# Altium PCB H7-Core.PcbDoc (continued)
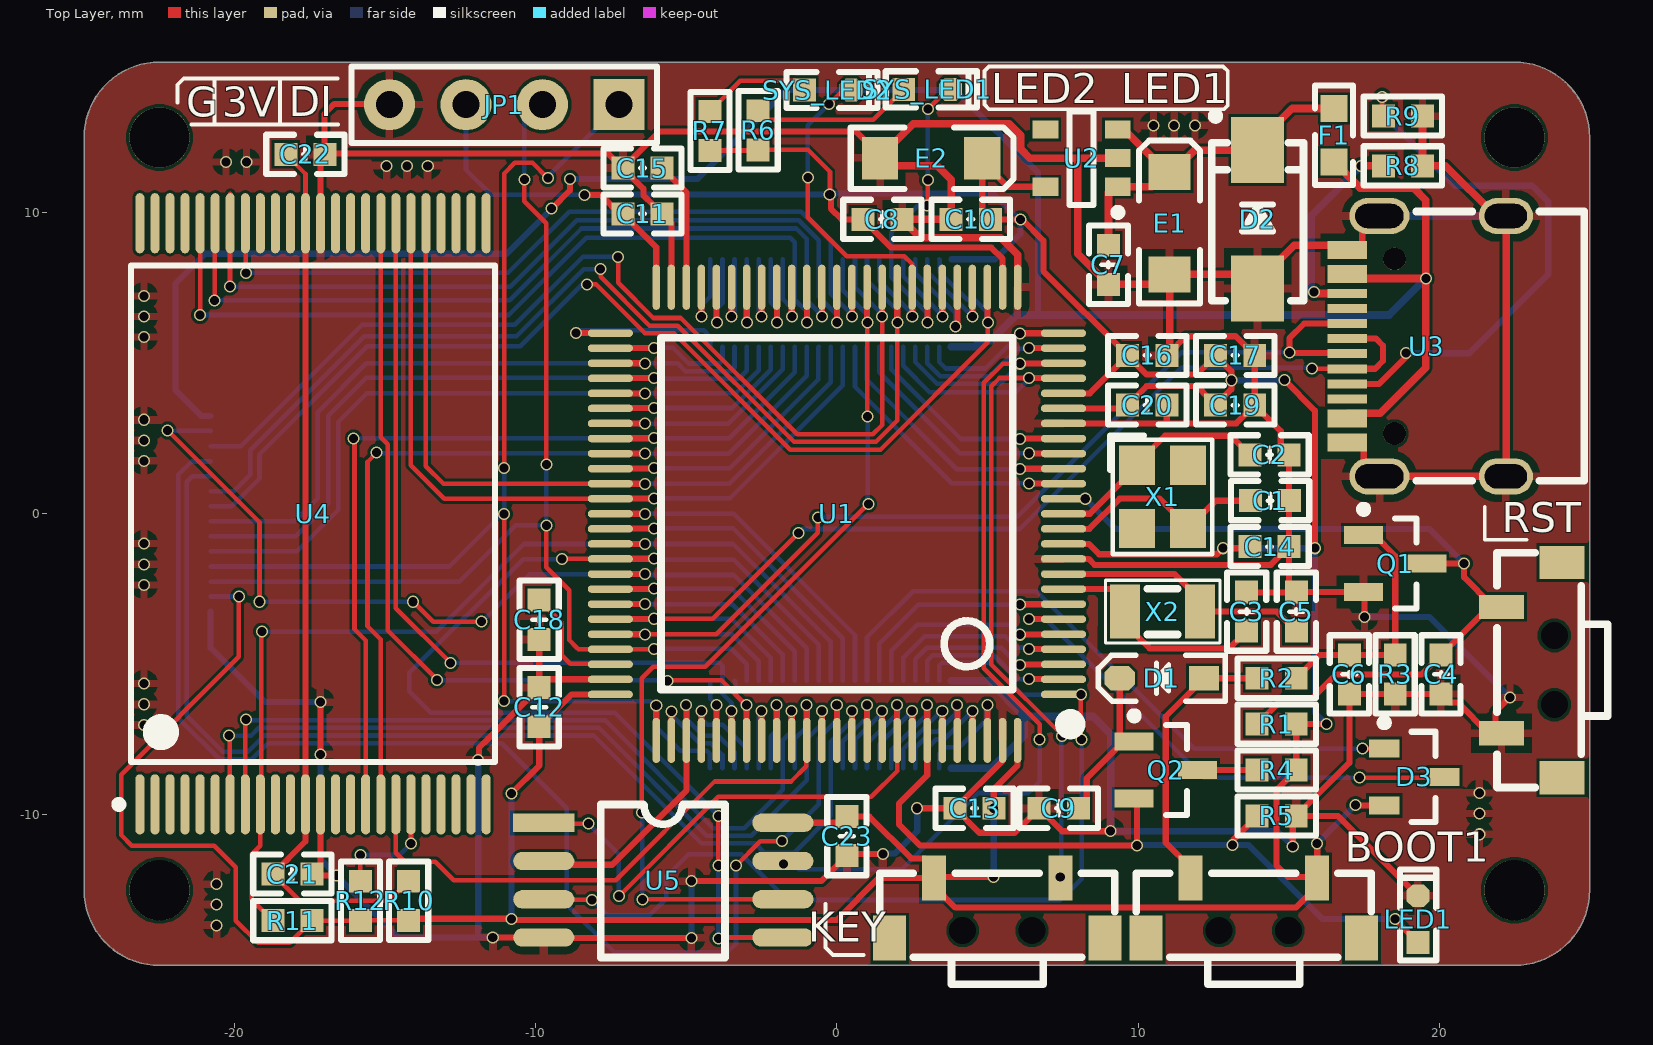
[diagram p0: Top Layer view]
## Nets (pads, with @x,y where several pads share a name; then routed paths per layer and width w, separated by ;. In a path a pad name is that pad's centre, name@x,y a point inside that pad or via, vN(x,y) a via of type N, cw(c..) or ccw(c..) an arc to the next point about the centre after c; other vN are vias at no path point) (continued)
FMC_D6: CN1.17 U1.39 U4.43 | length 28
  Top Layer w0.152: v1(-20.67,7.086) -20.66,7.097 -20.66,9.639 U4.43 U4.43@-20.649,10.54
  Top Layer w0.203: v1@-0.5,6.557 U1.39
  Bottom Layer w0.152: v1@-20.665,7.087 -10.871,7.087 -8.484,9.474 -1.346,9.474 -1,9.128 CN1.17 -1,7.096 -0.498,6.594 v1(-0.498,6.555)
FMC_D7: CN1.15 U1.40 U4.44 | length 28.8
  Top Layer w0.152: v1(-21.153,6.604) -21.151,6.606 -21.151,9.648 U4.44 U4.44@-21.149,10.5
  Top Layer w0.203: v1@-0.996,6.358 U1.40@-0.996,7.521
  Bottom Layer w0.152: v1(-21.153,6.604) -10.897,6.604 -8.331,9.169 -1.549,9.169 -1.4,9.02 CN1.15 -1.4,7.115 -0.99,6.705 v1(-0.99,6.352)
FMC_NCE: CN2.21 R11.2 U1.65 U4.9 | length 33.9
  Top Layer w0.152: v1(-19.101,-3.912) -19.125,-3.936 -19.125,-9.626 U4.9 -19.149,-11.021 -19.431,-11.303 -19.431,-12.816 R11.2
  Top Layer w0.203: U1.65 v1@-6.381,-1
  Bottom Layer w0.152: v1(-19.101,-3.912) -13.31,-3.912 -10.401,-1.003 v1@-6.398,-1.003 ; v1@-6.378,-1.022 v1@-6.398,-1.003 ; CN2.21 -0.2,-4.245 -3.442,-1.003 v1(-6.378,-1.003) v1@-6.398,-1.003
FMC_NOE: CN2.14 U1.85 U4.8 | length 26.4
  Top Layer w0.152: U4.8 -19.649,-6.855 v1(-19.618,-6.824)
  Top Layer w0.203: U1.85 v1@-1.5,-6.557
  Bottom Layer w0.152: v1(-19.618,-6.824) -19.587,-6.855 -7.699,-6.855 -4.115,-10.439 -3.073,-10.439 -1.8,-9.166 CN2.14 -1.8,-7.515 -1.524,-7.239 -1.524,-6.577 v1(-1.502,-6.555)
FMC_NWAIT: CN2.18 U1.87 U4.7 | length 27.3
  Top Layer w0.152: v1(-20.193,-7.366) -20.171,-7.388 -20.171,-9.628 U4.7
  Top Layer w0.203: U1.87 v1@-0.5,-6.557
  Bottom Layer w0.152: v1(-20.193,-7.366) -19.46,-7.366 -19.202,-7.109 -7.903,-7.109 -4.318,-10.693 -2.845,-10.693 -1,-8.849 CN2.18 -1,-7.477 -0.508,-6.985 -0.508,-6.561 v1(-0.502,-6.555)
FMC_NWE: CN2.16 U1.86 U4.18 | length 21.5
  Top Layer w0.152: U4.18 -14.649,-11.259 -14.351,-11.557 -13.335,-11.557 -12.725,-12.167 -7.341,-12.167 -4.064,-8.89 -1.524,-8.89 -1.019,-8.385 -1.019,-7.544 U1.86
  Top Layer w0.203: U1.86 v1@-1,-6.362
  Bottom Layer w0.152: CN2.16 -1.4,-7.474 -1.006,-7.08 v1(-1.006,-6.356)
GND: C1.1 C2.1 C3.1 C4.2 C5.1 C6.2 C7.1 C8.1 C9.2 C10.1 C11.1 C12.1 C13.1 C14.1 C15.1 C16.1 C17.1 C18.1 C19.2 C20.2 C21.1 C22.1 C23.2 CN2.41 CN2.42 CN2.43 CN2.44 CN2.45 CN2.46 D2.1 E1.2 E2.2 JP1.4 JP3.14 LED1.2 Q1.2 R3.1 R5.2 R8.2 R9.1 RST.2 U1.10 U1.19 U1.26 U1.49 U1.74 U1.99 U2.2 U3.0 U3.A1 U3.A12 U3.B1 U3.B12 U4.13 U4.36 U5.4 | length 228.5
  Top Layer w0.203: U4.13 -17.149,-11.678 C21.1 -17.384,-12.014 v1(-16.612,-12.014) ; U4.36 -17.149,11.792 C22.1 ; v1(-17.147,-7.995) -17.147,-6.25 v1(-17.145,-6.248) ; JP1.4@-15.316,13.614 -16.688,13.614 -17.018,13.284 -17.018,11.963 -7.587,11.963 C15.1 ; v1(-11.913,-8.179) -11.913,-8.126 -11.887,-8.1 -11.887,-7.772 -11.584,-7.469 ; -11.584,-7.469 C12.1 ; v1(-11.43,-14.072) U5.4 -9.723,-14.084 -4.839,-14.084 v1(-4.832,-14.091) ; C18.1 C12.1 ; U1.74@-7.874,-5.493 -9.608,-5.493 C12.1 ; U1.49@-5.503,7.528 U1.49 -5.5,9.652 C11.1 -6.087,10.24 -6.426,10.579 -6.426,10.802 C15.1 ; v1@-4.699,-12.192 -0.508,-12.192 C23.2 0.381,-11.303 v1(1.524,-11.303) ; E2.2 1.426,11.909 0.64,12.695 -5.897,12.695 C15.1 ; v1(2.667,-9.779) C13.1 ; U1.99 5.491,-7.534 5.491,-8.21 C13.1 ; C9.2@6.97,-9.779 C9.2@6.985,-9.794 ; U1.10 8.358,-1.5 8.555,-1.697 11.38,-1.697 11.381,-1.698 14.41,-1.698 C14.1 ; U1.19 10.935,3 ; v1(9.093,-10.541) 7.478,-10.541 C9.2 5.903,-10.592 4.735,-10.592 C13.1 ; C20.2 10.956,3.021 10.935,3 ; C16.1 11.049,5.354 11.591,5.896 13.242,5.896 C17.1 C19.2 ; C3.1 13.623,-2.613 C5.1@15.386,-2.613 ; v1(15.138,-11.049) 15.138,-10.15 R5.2 ; U3.B1@16.993,8.585 16.993,8.872 U3.A12 17.448,8.917 17.448,9.383 17.957,9.892 U3.0@18.017,9.892 ; C6.2 17.018,-8.27 R5.2 ; C6.2 R3.1 C4.2 ; U3.B12@17.496,2.469 17.496,1.702 17.957,1.242 U3.0@18.017,1.242 ; v1(17.526,-3.429) 17.526,-2.635 Q1.2 15.262,-2.601 C5.1 15.02,-2.359 C14.1 ; LED1.2@19.304,-12.7 16.637,-10.033 R5.2 ; C4.2@20.066,-5.969 C4.2 ; v1(22.352,-6.096) 21.872,-6.576 21.872,-7.3 21.651,-7.3 20.614,-6.263 20.345,-6.263 C4.2 ; 10.935,3 13.267,3 C19.2 ; C19.2 14.741,2.746 14.741,2.239 C2.1 C14.1
  Top Layer w0.254: E2.2 1.68,11.557 3.327,11.557 3.795,11.09 C10.1 C8.1 2.769,9.169 5.436,9.169 6,8.605 U1.26 ; E2.2@1.426,11.909 1.426,11.911 1.899,12.384 1.97,12.384 2.54,12.954 5.715,12.954 6.096,12.573 6.096,12.118 6.403,11.811 U2.2@9.203,11.811 ; 8.001,11.684 8.001,8.636 C7.1 10.717,7.62 E1.2 ; C16.1@11.049,5.354 E1.2 ; U3.A12@16.846,8.917 15.183,8.917 13.97,7.704 D2.1 13.497,7.952 E1.2 ; U3.B12 U3.A1 U3.A1@17.448,2.217 ; U3.0@18.017,1.242 U3.0@22.216,1.242 ; R9.1 R8.2 20.208,11.557 21.873,9.892 U3.0@22.115,9.892 ; U3.0@22.216,9.892 22.225,9.883 U3.0@22.225,1.27
  Bottom Layer w0.203: JP3.14 -20.8,-4.448 -18.999,-6.248 v1(-17.145,-6.248) ; v1(-17.147,-7.995) -17.147,-8.25 -17.149,-8.252 -17.149,-11.477 v1(-16.612,-12.014) -14.554,-14.072 -11.913,-14.072 ; v1(-11.913,-8.179) -11.913,-14.072 ; v1(-11.43,-14.072) -11.913,-14.072 ; v1(-4.832,-14.091) v1(-4.832,-12.192) ; v1(1.524,-11.303) 1.549,-11.278 1.93,-11.278 2.667,-10.541 v1(2.667,-9.779) ; v1(9.093,-10.541) 14.63,-10.541 v1(15.138,-11.049) ; v1(17.526,-3.429) 19.685,-3.429 v1(22.352,-6.096)
  Bottom Layer w0.254: CN2.42 CN2.46 ; CN2.41 CN2.45 5.037,-5.545 6.223,-6.731 ; CN2.44 5.134,-8.455 6.223,-7.366 6.223,-6.731 ; v1(9.093,-10.541) 9.093,-7.315 8.509,-6.731 6.223,-6.731 ; U3.0@18.017,9.892 U3.0@22.216,9.892
  other v1: -20.599,-13.665 -20.599,-12.979 -20.599,-12.294 21.336,-10.643 21.336,-9.957 21.336,-9.271 -23.012,-7.01 -23.012,-6.325 -23.012,-5.639 -23.012,-2.362 -23.012,-1.676 -23.012,-0.991 -23.012,1.753 -23.012,2.438 -23.012,3.124 -23.012,5.867 -23.012,6.553 -23.012,7.239 -14.961,11.557 -14.275,11.557 -13.589,11.557 -20.295,11.684 -19.609,11.684 10.516,12.903 11.201,12.903 11.887,12.903
LCD_DC: CN1.27 JP3.6 U1.34 | length 36.1
  Top Layer w0.152: v1(-7.849,8.128) -7.849,7.874 -6.223,6.248 -5.287,6.248 -1.426,2.388 1.299,2.388 2.01,3.099 v1(2.01,6.352)
  Top Layer w0.203: v1@2.004,6.358 U1.34@2.004,7.521
  Bottom Layer w0.152: JP3.6 -20.027,0.75 -19.482,1.295 -19.482,2.108 -15.697,5.893 -10.643,5.893 -8.407,8.128 v1(-7.849,8.128) ; CN1.27 1,7.763 2.01,6.753 v1(2.01,6.352)
LCD_RES: CN1.25 JP3.3 U1.35 | length 34.8
  Top Layer w0.152: v1(-7.264,8.534) -7.264,7.671 -6.096,6.502 -5.182,6.502 -1.321,2.642 1.194,2.642 1.502,2.95 v1(1.502,6.555)
  Top Layer w0.203: v1@1.5,6.557 U1.35
  Bottom Layer w0.152: JP3.3 -19.797,2.25 -15.773,6.274 -10.693,6.274 -8.433,8.534 v1(-7.264,8.534) ; CN1.25 0.6,7.528 1.466,6.662 1.466,6.592 v1(1.502,6.555)
NetBOOT1_2: BOOT1.2 D1.1 R2.1 | length 9.3
  Top Layer w0.203: BOOT1.2 11.743,-11.743 10.922,-10.922 10.922,-6.731 D1.1 ; D1.1 R2.1
NetC6_1: C6.1 Q1.1 R2.2 R3.2 | length 8.2
  Top Layer w0.203: R2.2 16.032,-4.684 C6.1 ; C6.1 R3.2 ; Q1.1 17.842,-0.701 18.542,-1.401 R3.2
NetC7_2: C7.2 D2.2 E1.1 F1.2 U2.1 U2.3 | length 12.7
  Top Layer w0.254: C7.2 9.017,10.675 9.203,10.861 U2.1 10.458,10.861 E1.1@10.949,11.352 ; U2.3 9.54,12.761 E1.1@10.949,11.352 ; F1.2 15.128,13.462 13.97,12.304 D2.2 11.876,12.079 11.149,11.352 E1.1 E1.1@10.949,11.352
NetC9_1: C9.1 D1.2 Q2.1 | length 5.2
  Top Layer w0.203: C9.1 8.295,-9.5 8.295,-8.786 9.522,-7.559 Q2.1@9.59,-7.559 ; D1.2 9.392,-7.361 Q2.1@9.59,-7.559 ; Q2.1@9.731,-7.559 Q2.1@9.59,-7.559
NetC15_2: C15.2 U1.48 | length 4.3
  Top Layer w0.203: C15.2 -5,10.676 U1.48
NetC18_2: C18.2 U1.73 | length 3.9
  Top Layer w0.152: C18.2 -9.144,-3.61 -9.144,-4.699 -8.862,-4.981 -7.544,-4.981 U1.73
NetC21_2: C21.2 C22.2 R10.1 U4.12 U4.37 | length 29.8
  Top Layer w0.152: C21.2 -17.846,-12.852 -14.874,-12.852 R10.1 ; C22.2 -17.649,11.284 U4.37
  Top Layer w0.203: C21.2 -17.649,-10.878 U4.12 U4.37
NetD3_3: D3.3 U1.6 | length 17.1
  Top Layer w0.152: v1(17.348,-8.763) 20.152,-8.763 D3.3
  Top Layer w0.203: v1@6.384,-3.491 U1.6@7.528,-3.491
  Bottom Layer w0.152: v1(6.381,-3.488) 6.917,-3.488 12.192,-8.763 v1(17.348,-8.763)
NetQ2_3: Q2.3 R4.1 | length 2
  Top Layer w0.203: Q2.3 R4.1
NetR6_1: R6.1 SYS_LED1.1 | length 5.4
  Top Layer w0.152: R6.1 -2.311,13.081 1.204,13.081 SYS_LED1.1
NetR7_1: R7.1 SYS_LED2.1 | length 3.7
  Top Layer w0.152: R7.1 -3.205,14.376 -1.386,14.376 SYS_LED2.1
NetR8_1: R8.1 U3.B5 | length 6.7
  Top Layer w0.254: v1(15.85,7.366) 15.899,7.317 U3.B5 ; v1(17.399,11.557) R8.1
  Bottom Layer w0.254: v1@15.748,7.366 15.748,9.906 v1(17.399,11.557)
NetR9_2: R9.2 U3.A5 | length 18.7
  Top Layer w0.152: v1(18.11,13.843) 18.11,13.244 R9.2
  Top Layer w0.203: U3.A5 18.008,4.317 18.898,5.207 v1(18.898,5.334)
  Bottom Layer w0.203: v1(18.11,13.843) 18.11,13.31 20.523,10.897 23.089,10.897 23.622,10.363 23.622,7.95 21.006,5.334 v1(18.898,5.334) v1@18.796,5.334
NetR12_1: R12.1 U4.19 | length 4
  Top Layer w0.152: R12.1 v1(-15.824,-11.328) ; U4.19 -14.146,-9.653 -14.146,-10.944 v1(-14.143,-10.948)
  Bottom Layer w0.152: v1(-15.824,-11.328) -14.523,-11.328 v1(-14.143,-10.948)
OSC32_IN: C3.2 U1.8 X2.2 | length 7.7
  Top Layer w0.203: U1.8 9.166,-2.5 9.564,-2.898 X2.2 9.564,-3.648 X2.2@9.962,-4.046 ; X2.2@9.163,-2.486 X2.2@9.29,-2.613 ; X2.2@9.962,-4.047 10.386,-4.47 13.035,-4.47 13.496,-4.01 C3.2@13.608,-4.01
OSC32_OUT: C5.2 U1.9 X2.1 | length 8.5
  Top Layer w0.203: U1.9 7.527,-2.001 11.218,-2.001 12.084,-2.868 X2.1@12.084,-2.994 ; X2.1 14.609,-3.248 15.244,-3.883 C5.2@15.259,-3.883
OSC_IN: C1.2 U1.12 X1.3 | length 7.5
  Top Layer w0.203: U1.12 8.379,-0.5 9.387,0.508 10.718,0.508 11.664,-0.438 X1.3 12.587,0.435 C1.2 ; X1.3@11.664,-0.996 11.703,-0.996 X1.3@11.703,-0.985
OSC_OUT: C2.2 U1.13 X1.1 | length 7.6
  Top Layer w0.203: U1.13 8.401,0 ; 8.401,0 9.964,1.562 X1.1 9.964,1.662 10.896,2.594 13.085,2.594 C2.2 ; X1.1@9.964,1.104 X1.1@9.964,1.154
PA0: CN1.34 KEY.1 U1.22 | length 25.2
  Top Layer w0.152: v1(6.381,4.512) 5.401,4.512 5.131,4.242 5.131,-5.004 7.474,-7.347 v1(7.474,-7.385)
  Top Layer w0.203: v1@6.384,4.509 U1.22@7.528,4.509
  Bottom Layer w0.152: CN1.34 2.2,4.912 3.073,4.039 5.944,4.039 6.361,4.456 6.361,4.491 v1(6.381,4.512) ; v1(7.417,-12.065) 7.445,-12.036 7.445,-7.414 v1(7.474,-7.385)
PA1: CN1.36 U1.23 U5.7 | length 31.3
  Top Layer w0.152: v1(6.086,4.984) 5.514,4.984 4.877,4.347 4.877,-5.131 6.731,-6.985 v1(6.731,-7.493)
  Top Layer w0.203: v1@6.099,4.997 U1.23@7.522,4.997
  Bottom Layer w0.152: v1(-1.778,-11.63) -1.734,-11.674 -1.41,-11.674 -1.273,-11.811 2.159,-11.811 4.699,-9.271 6.35,-9.271 6.731,-8.89 v1(6.731,-7.493) ; CN1.36 2.6,5.042 3.324,4.318 5.42,4.318 v1(6.086,4.984)
PA2: CN1.38 U1.24 | length 5.6
  Top Layer w0.203: v1@6.384,5.509 U1.24@7.528,5.509
  Bottom Layer w0.152: CN1.38 3,5.001 3.429,4.572 5.08,4.572 5.996,5.488 6.357,5.488 v1(6.381,5.512)
PA3: CN1.40 U1.25 | length 5.2
  Top Layer w0.203: v1@6.099,5.997 U1.25@7.522,5.997 ; 6.754,5.991 6.757,5.994
  Bottom Layer w0.152: CN1.40 3.4,5.042 3.616,4.826 4.928,4.826 v1(6.086,5.984)
PA4: CN1.39 JP3.7 U1.28 | length 37.8
  Top Layer w0.152: v1(-8.306,7.62) -8.001,7.62 -6.375,5.994 -5.41,5.994 -1.549,2.134 1.448,2.134 5.01,5.696 v1(5.01,6.352)
  Top Layer w0.203: v1@5.004,6.358 U1.28@5.004,7.521
  Bottom Layer w0.152: JP3.7 -20.095,0.25 -19.177,1.168 -19.177,1.981 -15.596,5.563 -10.516,5.563 -8.458,7.62 v1(-8.306,7.62) ; CN1.39 3.419,8.436 3.419,8.016 4.323,7.112 4.572,7.112 4.963,6.721 4.963,6.399 v1(5.01,6.352)
PA5: CN1.37 U1.29 | length 3.5
  Top Layer w0.203: v1@4.5,6.557 U1.29
  Bottom Layer w0.152: CN1.37 3,8.049 4.494,6.555 v1(4.502,6.555)
PA6: CN1.35 U1.30 | length 3.9
  Top Layer w0.203: v1@4.004,6.358 U1.30@4.004,7.521
  Bottom Layer w0.152: CN1.35 2.6,7.992 3.937,6.655 v1(3.937,6.223)
PA7: CN1.33 U1.31 | length 3.4
  Top Layer w0.203: v1@3.5,6.557 U1.31
  Bottom Layer w0.152: CN1.33 2.2,7.893 3.502,6.591 v1(3.502,6.555)
PA9: CN2.15 U1.68 | length 8
  Top Layer w0.203: U1.68@-7.522,-2.491 v1@-6.079,-2.491
  Bottom Layer w0.152: v1(-6.073,-2.485) -3.484,-2.485 -1.4,-4.569 CN2.15
PA10: CN2.13 U1.69 | length 7.3
  Top Layer w0.203: U1.69 v1@-6.381,-3
  Bottom Layer w0.152: v1(-6.378,-3.003) -3.474,-3.003 -1.8,-4.677 CN2.13
PA11: CN2.11 U1.70 U3.A7 U3.B7 | length 36.1
  Top Layer w0.152: v1(-6.073,-3.485) -4.12,-3.485 v1(-1.27,-0.635) ; v1(15.773,4.826) 15.778,4.821 16.944,4.821 U3.B7
  Top Layer w0.203: U1.70@-7.522,-3.491 v1@-6.079,-3.491 ; U3.B7 17.872,4.817 18.136,5.08 18.136,5.588 17.907,5.817 U3.A7
  Bottom Layer w0.152: v1(-6.073,-3.485) -3.5,-3.485 -2.2,-4.785 CN2.11 ; v1(-1.27,-0.635) -1.14,-0.505 6.075,-0.505 11.428,4.848 15.65,4.848 v1@15.672,4.826
PA12: CN2.9 U1.71 U3.A6 U3.B6 | length 36
  Top Layer w0.152: v1(-6.378,-4.003) -4.003,-4.003 -0.635,-0.635 v1(-0.635,-0.127)
  Top Layer w0.203: U1.71 v1@-6.381,-4 ; U3.A6 16.927,5.338 15.058,5.338 v1(15.037,5.359) 15.037,5.842 15.512,6.317 U3.B6
  Bottom Layer w0.152: v1(-6.378,-4.003) -3.49,-4.003 -2.6,-4.893 CN2.9 ; v1(-0.635,-0.127) -0.61,-0.102 5.994,-0.102 11.455,5.359 v1@14.935,5.359
PA15: CN2.4 U1.77 | length 3.8
  Top Layer w0.203: U1.77 v1@-5.5,-6.557
  Bottom Layer w0.152: v1(-5.5,-6.571) -5.5,-6.67 -4.55,-7.62 -4.191,-7.62 -3.8,-8.011 CN2.4
PB2: CN1.23 U1.36 U5.6 | length 32.4
  Top Layer w0.152: v1(-6.477,-9.917) -6.477,-5.461 -6.096,-5.08 -4.369,-5.08 v1(1.041,0.33) ; v1(-6.452,-12.802) U5.6 U5.6@-0.936,-12.802 ; v1(1.01,6.352) 1.013,6.349 1.013,3.229 v1(1.016,3.226)
  Top Layer w0.203: v1@1.004,6.358 U1.36@1.004,7.521
  Bottom Layer w0.152: v1(-6.477,-9.917) -6.464,-9.93 -6.464,-12.789 v1(-6.452,-12.802) ; CN1.23 0.2,7.42 1.01,6.61 v1(1.01,6.352) ; v1(1.016,3.226) 1.029,3.213 1.029,0.343 v1(1.041,0.33)
PB3: CN2.22 JP3.5 U1.89 | length 37.6
  Top Layer w0.203: U1.89 v1@0.5,-6.557
  Bottom Layer w0.152: JP3.5 -21.407,1.25 -21.59,1.067 -21.59,-6.706 -20.396,-7.899 -19.558,-7.899 -19.021,-7.363 -8.08,-7.363 -4.496,-10.947 -2.718,-10.947 -2.413,-11.252 -1.422,-11.252 -0.2,-10.03 CN2.22 -0.2,-7.566 0.498,-6.868 v1(0.498,-6.555)
PB4: CN2.24 U1.90 | length 3.6
  Top Layer w0.203: U1.90 v1@1,-6.362
  Bottom Layer w0.152: CN2.24 0.2,-7.547 1.016,-6.731 1.016,-6.378 v1(0.994,-6.356)
PB5: CN2.26 U1.91 | length 3.3
  Top Layer w0.203: U1.91 v1@1.5,-6.557
  Bottom Layer w0.152: CN2.26 0.6,-7.506 1.27,-6.836 ; 1.27,-6.835 1.524,-6.581 v1(1.498,-6.555)
PB6: CN2.28 U1.92 U5.1 | length 20
  Top Layer w0.152: U5.1 -9.71,-10.287 v1(-8.255,-10.287) ; v1(-7.239,-12.7) -3.937,-9.398 1.143,-9.398 2,-8.541 U1.92
  Top Layer w0.203: U1.92 v1@2,-6.362
  Bottom Layer w0.152: v1(-8.255,-10.287) -7.239,-11.303 v1(-7.239,-12.7) ; CN2.28 1,-7.636 2.032,-6.604 2.032,-6.394 v1(1.994,-6.356)
PB7: CN2.30 U1.93 | length 3.3
  Top Layer w0.203: U1.93 v1@2.5,-6.557
  Bottom Layer w0.152: CN2.30 1.4,-7.653 v1(2.498,-6.555)
PB8: CN2.34 U1.95 | length 3.4
  Top Layer w0.203: U1.95 v1@3.5,-6.557
  Bottom Layer w0.152: CN2.34 2.2,-7.811 3.456,-6.555 v1(3.498,-6.555)
PB9: CN2.36 U1.96 | length 4
  Top Layer w0.203: U1.96 v1@4,-6.362
  Bottom Layer w0.152: CN2.36 2.6,-7.77 3.131,-7.239 3.348,-7.239 3.947,-6.641 3.947,-6.403 v1(3.994,-6.356)
PB10: CN1.3 U1.46 | length 3.3
  Top Layer w0.203: v1@-3.996,6.358 U1.46@-3.996,7.521
  Bottom Layer w0.152: v1(-3.99,6.352) -3.99,6.805 -3.8,6.995 CN1.3
PB11: CN1.1 U1.47 | length 3
  Top Layer w0.203: v1@-4.5,6.557 U1.47
  Bottom Layer w0.152: v1(-4.498,6.555) -4.498,6.932 -4.2,7.23 CN1.1
PB12: CN1.2 U1.51 | length 6.1
  Top Layer w0.203: v1@-8.669,6 U1.51 U1.51@-7.516,5.991
  Bottom Layer w0.152: v1(-8.672,6.003) -8.577,6.098 -4.426,6.098 -4.2,5.871 CN1.2
PB13: CN1.4 U1.52 | length 4.4
  Top Layer w0.203: U1.52 -7.519,5.506 -6.076,5.506 v1(-6.071,5.512)
  Bottom Layer w0.152: v1(-6.071,5.512) -5.443,5.512 -4.924,4.992 -3.898,4.992 -3.8,5.09 CN1.4
PB14: CN1.6 JP3.8 U1.53 | length 23.2
  Top Layer w0.203: U1.53 v1@-6.381,5
  Bottom Layer w0.152: JP3.8 -18.005,-0.25 -17.247,0.508 -17.247,3.378 -15.628,4.997 v1(-6.378,4.997) -5.288,4.997 -5.029,4.738 -3.517,4.738 -3.4,4.855 CN1.6
PB15: CN1.8 JP3.9 U1.54 | length 24.1
  Top Layer w0.203: U1.54@-7.522,4.509 v1@-6.079,4.509
  Bottom Layer w0.152: JP3.9 -17.971,-0.75 -16.891,0.33 -16.891,3.251 -15.628,4.515 v1(-6.073,4.515) -6.043,4.484 -3.263,4.484 -3,4.747 CN1.8
PC0: CN1.26 U1.15 | length 9.6
  Top Layer w0.203: v1@6.384,1.009 U1.15@7.528,1.009
  Bottom Layer w0.152: CN1.26 0.6,4.226 3.81,1.016 6.377,1.016 v1(6.381,1.012)
PC1: CN1.28 U1.16 | length 8.8
  Top Layer w0.203: v1@6.099,1.497 U1.16@7.522,1.497
  Bottom Layer w0.152: CN1.28 1,4.461 3.977,1.484 v1(6.086,1.484)
PC2: CN1.30 U1.17 | length 8.1
  Top Layer w0.203: v1@6.384,2.009 U1.17@7.528,2.009
  Bottom Layer w0.152: CN1.30 1.4,4.696 4.084,2.012 v1(6.381,2.012)
PC3: CN1.32 U1.18 | length 7.4
  Top Layer w0.203: v1@6.099,2.497 U1.18@7.522,2.497
  Bottom Layer w0.152: CN1.32 1.8,4.804 4.12,2.484 v1(6.086,2.484)
PC4: CN1.31 SYS_LED1.2 U1.32 | length 10.5
  Top Layer w0.152: v1(2.997,10.233) 3.01,10.246 3.01,11.078 v1(3.023,11.09) ; v1(3.023,13.437) 3.683,14.097 SYS_LED1.2
  Top Layer w0.203: v1@3.004,6.358 U1.32@3.004,7.521
  Bottom Layer w0.152: v1(2.997,10.233) 2.689,10.233 1.8,9.344 CN1.31 1.8,7.852 2.963,6.689 2.963,6.399 v1(3.01,6.352) ; v1(3.023,11.09) v1(3.023,13.437)
PC5: CN1.29 SYS_LED2.2 U1.33 | length 13.2
  Top Layer w0.152: v1(-0.965,11.176) -0.965,9.855 0.33,8.56 2.235,8.56 2.5,8.295 U1.33 ; v1(-0.263,13.605) 0.203,14.072 SYS_LED2.2
  Top Layer w0.203: v1@2.5,6.557 U1.33
  Bottom Layer w0.152: v1(-0.965,11.176) -0.965,12.903 v1(-0.263,13.605) ; CN1.29 1.4,7.744 2.455,6.689 2.455,6.603 v1(2.502,6.555)
PC6: CN2.25 U1.63 | length 11.3
  Top Layer w0.203: U1.63 v1@-6.381,0
  Bottom Layer w0.152: v1(-6.378,-0.003) -3.426,-0.003 0.6,-4.029 CN2.25
PC7: CN2.23 U1.64 | length 10.6
  Top Layer w0.203: U1.64@-7.522,-0.491 v1@-6.079,-0.491
  Bottom Layer w0.152: v1(-6.073,-0.485) -3.452,-0.485 0.2,-4.137 CN2.23
PC9: CN2.19 U1.66 U5.5 | length 35.1
  Top Layer w0.152: v1(-9.125,-1.505) -9.119,-1.499 -8.288,-1.499 ; v1@-3.937,-14.072 U5.5@-2.304,-14.072 ; v1(-3.937,-11.684) v1(-3.937,-10.033)
  Top Layer w0.203: U1.66@-7.522,-1.491 v1@-6.079,-1.491
  Bottom Layer w0.152: v1(-9.125,-1.505) -10.421,-1.505 -14.199,-5.283 -14.199,-5.893 -13.491,-6.601 -7.369,-6.601 v1(-3.937,-10.033) ; v1(-6.073,-1.485) -6.035,-1.524 -3.429,-1.524 -0.6,-4.353 CN2.19 ; v1(-3.937,-14.097) v1(-3.937,-11.684)
PC10: CN2.6 U1.78 U5.2 | length 12.2
  Top Layer w0.203: U5.2@-10.244,-11.532 U5.2 -9.471,-11.532 -9.347,-11.655 -7.464,-11.655 -5,-9.191 U1.78 v1@-5,-6.362
  Bottom Layer w0.152: v1(-5.006,-6.356) -4.959,-6.403 -4.959,-6.852 -4.445,-7.366 -3.937,-7.366 -3.4,-7.903 CN2.6
PC11: CN2.8 U1.79 | length 3.8
  Top Layer w0.203: U1.79 v1@-4.5,-6.557
  Bottom Layer w0.152: v1(-4.502,-6.555) -4.502,-6.801 -4.303,-7 -3.795,-7 -3,-7.795 CN2.8
PC12: CN2.1 U1.80 | length 2.1
  Top Layer w0.203: U1.80 v1@-4,-6.362
  Bottom Layer w0.152: CN2.1 -4.2,-6.149 -4.006,-6.343 v1(-4.006,-6.356)
PC13: CN2.29 U1.7 | length 7.9
  Top Layer w0.203: v1@6.099,-3.003 U1.7@7.522,-3.003
  Bottom Layer w0.152: CN2.29 1.4,-4.315 2.699,-3.016 v1(6.086,-3.016)
PD2: CN2.10 U1.83 | length 2.9
  Top Layer w0.203: U1.83 v1(-2.502,-6.555)
  Bottom Layer w0.152: CN2.10 -2.6,-6.72 -2.502,-6.622 v1(-2.502,-6.555)
PD3: CN2.12 U1.84 | length 3.3
  Top Layer w0.203: U1.84 v1@-2,-6.362
  Bottom Layer w0.152: CN2.12 -2.2,-7.386 -2.006,-7.193 v1(-2.006,-6.356)
PD7: CN2.20 JP3.4 U1.88 | length 44.4
  Top Layer w0.152: v1(-3.353,-11.684) -2.54,-10.871 v1(-1.829,-10.871)
  Top Layer w0.203: U1.88 v1@0,-6.362
  Bottom Layer w0.152: JP3.4 -20.811,1.739 -21.426,1.739 -21.869,1.295 -21.869,-6.785 -20.501,-8.153 -19.431,-8.153 -18.894,-7.617 -11.128,-7.617 -8.966,-9.779 -8.966,-12.979 -7.391,-14.554 -3.632,-14.554 -3.353,-14.275 v1(-3.353,-11.684) ; v1(-1.829,-10.871) -0.6,-9.642 CN2.20 -0.6,-7.458 0,-6.858 0,-6.362 v1(-0.006,-6.356)
PD9: CN1.12 U1.56 | length 6.6
  Top Layer w0.203: U1.56@-7.522,3.509 v1@-6.079,3.509
  Bottom Layer w0.152: v1(-6.073,3.515) -3.47,3.515 -2.2,4.785 CN1.12
PD10: CN1.14 U1.57 | length 8.4
  Top Layer w0.203: U1.57 v1@-6.381,3 ; U1.57@-7.522,2.997 v1@-6.378,2.997
  Bottom Layer w0.152: v1(-6.375,2.994) -3.61,2.994 -1.8,4.804 CN1.14
PD13: CN1.20 U1.60 | length 9.2
  Top Layer w0.203: U1.60@-7.522,1.509 v1@-6.079,1.509
  Bottom Layer w0.152: v1(-6.073,1.515) -3.565,1.515 -0.619,4.461 -0.619,5.526 CN1.20
PE0: CN2.38 U1.97 | length 3.6
  Top Layer w0.203: U1.97 v1(4.498,-6.555)
  Bottom Layer w0.152: CN2.38 3,-7.795 3.302,-7.493 3.56,-7.493 v1(4.498,-6.555)
PE1: CN2.40 U1.98 | length 4.2
  Top Layer w0.203: U1.98 v1@5,-6.362
  Bottom Layer w0.152: CN2.40 3.4,-7.963 3.616,-7.747 4.064,-7.747 4.947,-6.864 4.947,-6.403 v1(4.994,-6.356)
PE2: CN2.39 U1.1 U5.3 | length 32.7
  Top Layer w0.152: U5.3@-10.244,-12.802 U5.3@-10.19,-12.856 ; U5.3 -9.723,-12.814 -8.141,-12.814 v1(-8.128,-12.827) ; U1.1@8.103,-6.003 v1(8.101,-6.006) 8.101,-7.466 v1(8.128,-7.493)
  Top Layer w0.203: U1.1@7.531,-6.006 v1(8.101,-6.006)
  Bottom Layer w0.152: v1(-8.128,-12.827) -7.62,-13.335 -6.223,-13.335 -5.67,-12.782 -5.67,-12.046 -4.931,-11.306 -3.172,-11.306 -1.651,-12.827 7.417,-12.827 8.128,-12.116 v1(8.128,-7.493) ; CN2.39 3.4,-5.042 3.489,-4.953 5.08,-4.953 6.133,-6.006 v1(8.101,-6.006)
PE3: CN2.37 U1.2 | length 5.6
  Top Layer w0.203: v1@6.384,-5.491 U1.2@7.528,-5.491
  Bottom Layer w0.152: CN2.37 3,-4.874 3.175,-4.699 5.207,-4.699 5.996,-5.488 v1(6.381,-5.488)
PE4: CN2.35 U1.3 | length 6
  Top Layer w0.203: v1@6.099,-5.003 U1.3@7.522,-5.003
  Bottom Layer w0.152: CN2.35 2.6,-4.832 2.987,-4.445 5.457,-4.445 6.027,-5.016 v1(6.086,-5.016)
PE5: CN2.33 U1.4 | length 6.6
  Top Layer w0.203: v1@6.384,-4.491 U1.4@7.528,-4.491
  Bottom Layer w0.152: CN2.33 2.2,-4.785 2.921,-4.064 5.588,-4.064 5.965,-4.441 6.334,-4.441 v1(6.381,-4.488)
PE6: CN2.31 U1.5 | length 7.2
  Top Layer w0.203: v1@6.099,-4.003 U1.5@7.522,-4.003
  Bottom Layer w0.152: CN2.31 1.8,-4.55 2.667,-3.683 5.754,-3.683 v1(6.086,-4.016)
PE11: CN1.13 U1.41 | length 3
  Top Layer w0.203: v1@-1.5,6.557 U1.41
  Bottom Layer w0.152: CN1.13 -1.8,7.134 -1.498,6.832 v1(-1.498,6.555)
PE12: CN1.11 U1.42 | length 3.4
  Top Layer w0.203: v1@-1.996,6.358 U1.42@-1.996,7.521
  Bottom Layer w0.152: CN1.11 -2.2,7.026 -1.99,6.816 v1(-1.99,6.352)
PE13: CN1.9 U1.43 | length 2.9
  Top Layer w0.203: v1@-2.5,6.557 U1.43
  Bottom Layer w0.152: CN1.9 -2.6,6.724 -2.498,6.622 v1(-2.498,6.555)
PE14: CN1.7 U1.44 | length 3.3
  Top Layer w0.203: v1@-2.996,6.358 U1.44@-2.996,7.521
  Bottom Layer w0.152: CN1.7 -2.995,8.45 -2.995,6.357 v1(-2.99,6.352)
PE15: CN1.5 U1.45 | length 2.9
  Top Layer w0.203: v1@-3.5,6.557 U1.45
  Bottom Layer w0.152: v1(-3.498,6.555) -3.498,6.622 -3.4,6.72 CN1.5
RESET: C4.1 Q1.3 R1.2 RST.1 U1.14 | length 26.6
  Top Layer w0.203: R1.2 14.717,-6.223 15.694,-6.223 16.583,-5.334 19.416,-5.334 C4.1 21.735,-3.015 20.828,-2.108 v1(20.828,-1.651) Q1.3 Q1.3@19.242,-1.651 ; RST.1@21.574,-2.802 RST.1@21.872,-3.1
  Bottom Layer w0.203: v1(8.247,0.5) 9.255,-0.508 19.685,-0.508 v1(20.828,-1.651)
SWCLK: CN2.2 JP1.1 JP3.11 U1.76 | length 42.8
  Top Layer w0.152: v1(-11.049,-6.223) v1(-11.049,-0.003) ; v1(-11.049,1.524) -11.049,11.303 -10.693,11.659 -10.109,11.659 v1(-9.601,11.151)
  Top Layer w0.203: U1.76 v1(-6,-6.362)
  Bottom Layer w0.152: JP3.11 -12.869,-1.75 -11.122,-0.003 -11.049,-0.076 v1(-11.049,-0.003) v1(-11.049,1.524) ; v1(-11.049,-6.223) -6.206,-6.223 -6.067,-6.362 v1(-6,-6.362) -6,-7.081 -5.207,-7.874 -4.318,-7.874 -4.219,-7.973 -4.219,-8.436 CN2.2 ; v1@-9.627,11.176 -7.696,13.106 JP1.1@-7.696,13.614
SWDIO: CN2.7 JP1.2 JP3.12 U1.72 | length 37.2
  Top Layer w0.152: v1(-10.381,11.107) -10.381,10.381 -9.652,9.652 v1(-9.652,1.637) ; v1(-9.652,-0.381) -9.652,-1.778 -8.89,-2.54 -8.89,-4.191 -8.636,-4.445 -8.581,-4.5 U1.72 -7.518,-4.493 -6.081,-4.493 v1(-6.073,-4.485)
  Bottom Layer w0.152: JP3.12 -12.537,-2.25 -10.668,-0.381 v1(-9.652,-0.381) v1(-9.652,1.637) ; v1(-10.381,11.107) -10.381,13.469 JP1.2@-10.236,13.614 ; v1(-6.073,-4.485) -3.516,-4.485 -3,-5.001 CN2.7
VBAT: CN2.27 D3.1 | length 21.4
  Top Layer w0.152: v1(17.45,-7.798) 18.167,-7.798 D3.1
  Bottom Layer w0.152: CN2.27 1,-4.102 2.536,-2.565 6.629,-2.565 11.862,-7.798 v1(17.45,-7.798)
pads on no net: BOOT1.0 CN1.47 CN1.48 CN2.47 CN2.48 JP3.15 JP3.16 KEY.0 RST.0 U2.4 U3. U3.A8 U3.B8 U4.1 U4.2 U4.3 U4.4 U4.5 U4.6 U4.10 U4.11 U4.14 U4.15 U4.20 U4.21 U4.22 U4.23 U4.24 U4.25 U4.26 U4.27 U4.28 U4.33 U4.34 U4.35 U4.38 U4.39 U4.40 U4.45 U4.46 U4.47 U4.48 X1.2 X1.4

## Polygon pours and split planes (outlines as drawn)
GND on Bottom Layer "GND_L02_P004" (solid, remove dead copper, pour order 4): -25,-12.5 -25,12.5 cw(c-22.5,12.5) -22.5,15 22.5,15 cw(c22.5,12.5) 25,12.5 25,-12.5 cw(c22.5,-12.5) 22.5,-15 -22.5,-15 cw(c-22.5,-12.5)
GND on Top Layer "GND_L01_P005" (solid, remove dead copper, pour order 5): -25,-12.5 -25,12.5 cw(c-22.5,12.5) -22.5,15 22.5,15 cw(c22.5,12.5) 25,12.5 25,-12.5 cw(c22.5,-12.5) 22.5,-15 -22.5,-15 cw(c-22.5,-12.5)

## Other copper
Top Layer:
  pour cut-out: 8.666,-1.854 12.979,-1.854 12.979,-4.648 8.642,-4.648
  pour cut-out: 9.017,2.693 15.621,2.693 15.621,-0.05 15.24,-0.431 12.522,-0.431 12.522,-1.091 12.319,-1.295 8.915,-1.295 8.915,2.592

## Silkscreen, mask and mechanical layers (free items; w line width, h text height)
Top Overlay:
  lines w0.127: -21.895,13.665 -21.895,14.249 -21.692,14.453 -18.491,14.453 ; -21.438,12.929 -20.676,12.929 ; -20.676,14.453 -20.676,12.929 ; -18.491,12.954 -18.491,14.453 ; -16.586,14.453 -18.491,14.453 ; -16.561,12.929 -20.676,12.929 ; -0.381,-12.954 -0.381,-14.402 -0.127,-14.656 0.889,-14.656 ; 21.514,0.229 21.514,-0.864 22.911,-0.864 ; 4.902,13.589 5.055,13.437 12.852,13.437 12.979,13.564 12.979,14.707 12.827,14.859 5.055,14.859 4.902,14.707 4.902,13.589
  text "LED2" at 5.131,13.64 h1
  text "LED1" at 9.449,13.64 h1
  text "DI" at -18.212,13.208 h1
  text "G" at -21.615,13.183 h1
  text "3V" at -20.422,13.183 h1
Bottom Overlay:
  region: 11.792,-2.057 ccw(c12.192,-2.057) 12.192,-2.457 ccw(c12.192,-2.057) 12.592,-2.057 ccw(c12.192,-2.057) 12.192,-1.657 ccw(c12.192,-2.057)
  lines w0.127: 15.545,-10.795 15.57,-10.795 20.091,-10.795 20.447,-10.439 ; 15.723,-9.068 15.621,-9.068 15.392,-9.296 15.392,-10.566 15.621,-10.795 9.347,-10.795 9.119,-11.024 9.119,-12.395 9.347,-12.624 19.99,-12.624 20.447,-12.167 20.447,-10.439 ; 20.447,-10.439 20.447,-9.271 20.447,-8.484 ; 20.447,-8.484 19.863,-9.068 10.77,-9.068 10.211,-8.509 10.211,-1.295 10.744,-0.762 19.837,-0.762 20.447,-1.372 20.447,-8.484
  text "+5V" at -18.948,4.953 h1
  text "GND" at -19.152,-5.918 h1
  text "Pi" at 19.202,-8.052 h6
  text "Core" at 19.812,-10.439 h1
  text "STM32H743VI" at 19.812,-12.217 h1
  text "JCLJCLJCLJCL" at -10.211,-13.513 h0.85
Mechanical 1:
  the board outline again, w0.127